# Altium PCB SPG300 Rev05.PcbDoc (part 5 of 8)
Units mm, origin at the board's own origin, x right, y up, seen from the top; angles counter-clockwise.
Board outline 176 x 152 mm, 6 copper layers (Top Layer, GND, Layer 1, Layer 2, PWR, Bottom Layer), stack 1.924 mm thick; 738 components, 393 nets, 2440 pads, 974 vias.
Unrouted connection lines stored in the file: 395.
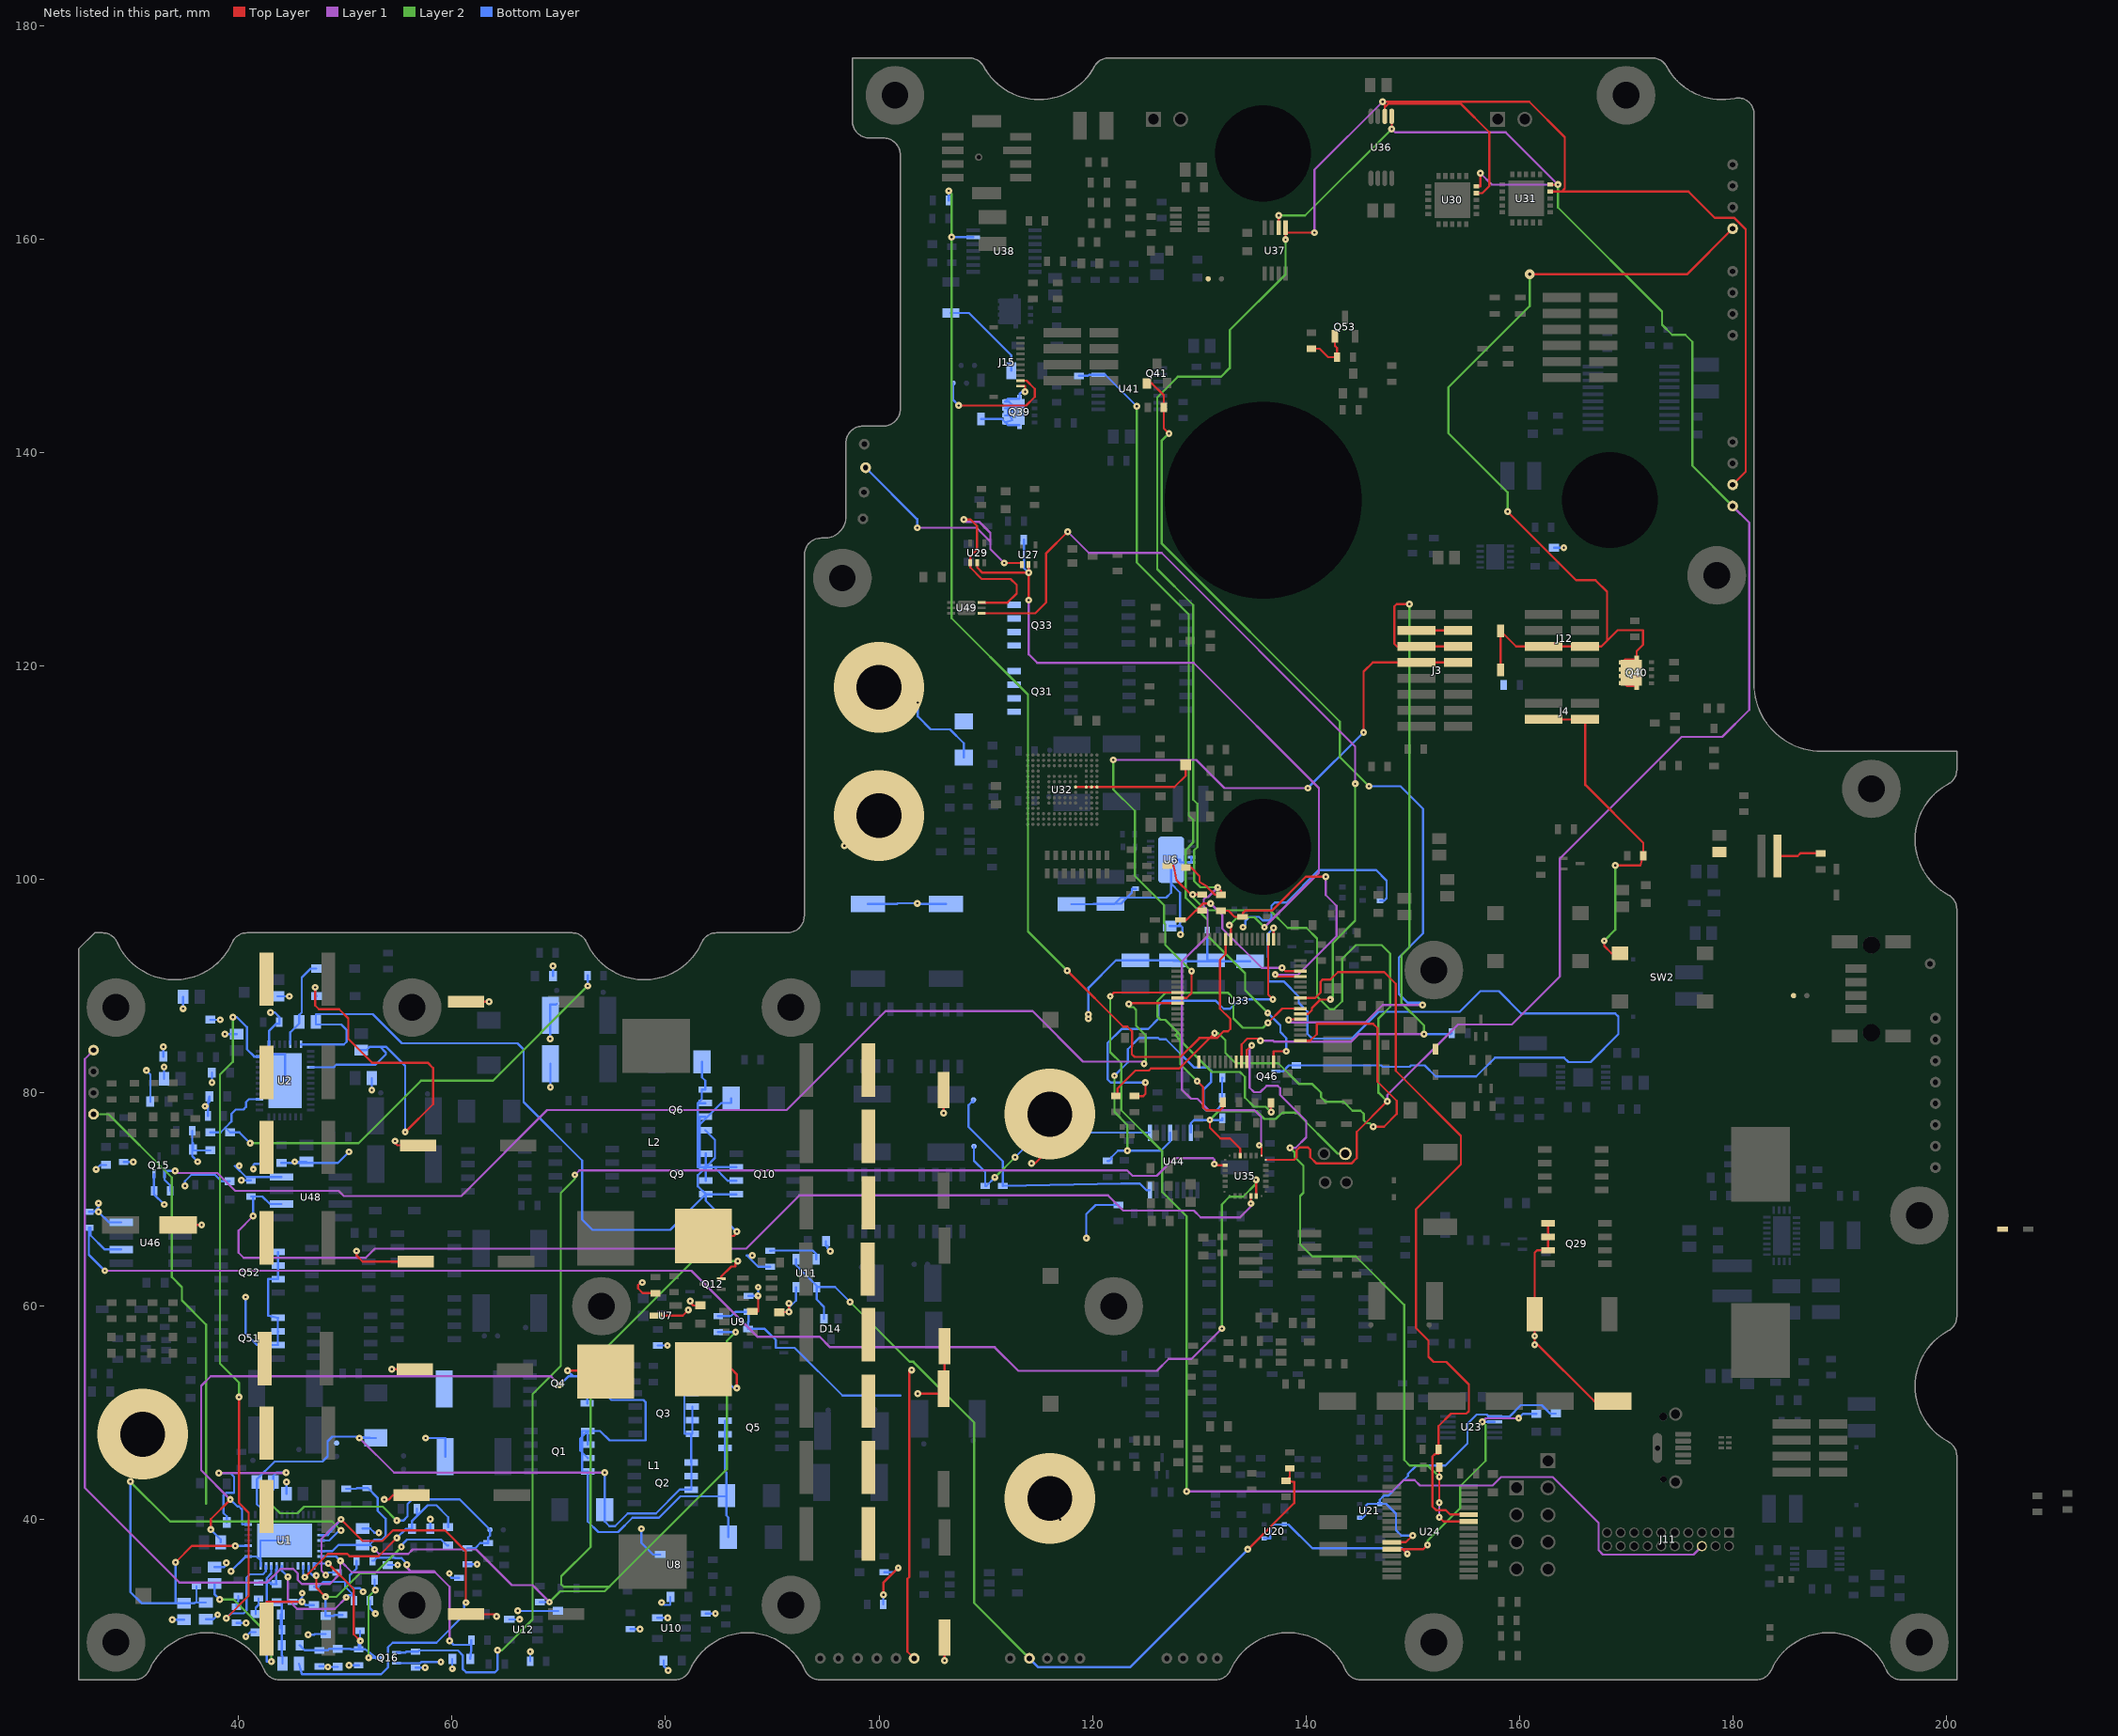
[diagram p9: the nets of this part, all layers, seen from the top]

## Via types
v1: diameter 0.65, hole 0.203, Top Layer to Bottom Layer, 964 vias
v2: diameter 8.5/0.5/0.5/8.5 (per signal layer), hole 4.2, Top Layer to Bottom Layer, 9 vias
v3: diameter 0.905, hole 0.305, Top Layer to Bottom Layer, 1 vias

## Nets (pads, with @x,y where several pads share a name; then routed paths per layer and width w, separated by ;. In a path a pad name is that pad's centre, name@x,y a point inside that pad or via, vN(x,y) a via of type N, cw(c..) or ccw(c..) an arc to the next point about the centre after c; other vN are vias at no path point) (continued)
DO_CBENH: R166.2 U24.10 U33.25 | length 73.2
  Top Layer w0.203: U33.25@139.477,88.9 140.869,88.9 141.376,89.408 141.376,90.424 141.58,90.627 142.316,90.627 143.002,91.313 147.345,91.313 148.438,90.221 148.438,82.067 154.534,75.971 154.534,73.304 150.317,69.088 150.317,57.963 151.486,56.794 151.486,55.27 151.968,54.788 153.162,54.788 155.27,52.68 155.27,50.165 155.042,49.936 153.608,49.936 152.44,48.768 R166.2@152.44,46.594 152.44,46.152 152.095,46.152 151.867,45.923 151.867,41.226 152.197,40.896 153.1,40.896 153.516,40.48 U24.10@155.251,40.48
DO_CBENL: R165.2 U24.9 U33.10 | length 64.6
  Top Layer w0.203: U33.10@134.477,82.9 134.477,84.007 v1(134.925,84.455) ; v1(152.5,40.237) 152.906,39.831 U24.9@155.251,39.831 ; v1(152.5,41.58) v1(152.5,44.018) R165.2@152.5,44.916
  Layer 1 w0.203: v1(134.925,84.455) 134.722,84.252 134.722,80.481 135.141,80.061 135.723,80.061 136.327,80.665 137.363,80.665 137.587,80.442 137.587,79.812 140.04,77.359 140.04,75.844 139.049,74.854 v1(138.506,74.854) ; v1(152.5,40.237) v1(152.5,41.58)
  Layer 2 w0.203: v1(138.506,74.854) 138.938,74.422 138.938,74.016 139.776,73.177 139.776,70.637 139.471,70.333 139.471,65.811 140.614,64.668 144.678,64.668 149.225,60.122 149.225,45.593 149.758,45.06 151.458,45.06 v1(152.5,44.018)
DO_CHTR_PWM: R177.2 U27.2 U29.2 U33.42 | length 70.1
  Top Layer w0.203: U29.2@109.21,129.699 109.21,129.235 109.699,128.747 v1(114.021,128.747) ; v1(114.021,126.187) v1(114.021,128.747) ; U27.2@114.021,129.524 v1(114.021,128.747) ; v1(132.842,95.707) 132.977,95.572 U33.42@132.977,94.4
  Layer 1 w0.203: v1(114.021,126.187) 114.021,121.107 114.834,120.294 129.489,120.294 141.224,108.56 141.224,100.635 v1(136.119,95.529)
  Layer 2 w0.203: v1(132.842,95.707) 133.579,96.444 135.204,96.444 v1(136.119,95.529)
  Bottom Layer w0.203: R177.2@113.575,131.85 113.575,129.193 v1(114.021,128.747)
DO_CHTR_WDOG: U33.22 U49.4 | length 77.4
  Top Layer w0.203: U49.4@109.625,124.95 114.638,124.95 115.672,125.984 115.672,130.581 v1(117.678,132.588) ; U33.22@139.477,87.4 140.208,87.4 140.564,87.756 140.564,87.96 141.351,88.748 v1(142.291,88.748)
  Layer 1 w0.203: v1(117.678,132.588) 119.659,130.607 126.492,130.607 144.628,112.471 v1(144.628,108.966)
  Layer 2 w0.203: v1(142.291,88.748) 142.519,88.976 142.519,94.031 144.628,96.139 v1(144.628,108.966)
DO_DC1_ENB: Q16.1 R108.1 U35.2 | length 123.4
  Top Layer w0.203: v1(131.42,73.33) 131.525,73.225 U35.2@132.449,73.225
  Layer 1 w0.203: v1(71.501,72.314) 71.92,72.733 123.259,72.733 123.761,72.231 126.028,72.231 127.66,73.863 131.293,73.863 131.42,73.736 v1(131.42,73.33)
  Layer 2 w0.203: v1(64.262,27.762) 64.668,27.762 67.539,30.632 67.539,51.765 70.18,54.407 70.18,70.612 71.501,71.933 v1(71.501,72.314)
  Bottom Layer w0.203: Q16.1@54.801,27.55 55.626,27.55 55.702,27.625 R108.1@56.574,27.625 56.82,27.625 56.931,27.737 60.554,27.737 60.985,27.305 60.985,26.01 61.316,25.679 64.008,25.679 64.262,25.933 v1(64.262,27.762)
DO_DC2_ENB: Q15.1 R107.1 U33.57 | length 115.2
  Top Layer w0.203: v1(123.419,88.316) 123.503,88.4 U33.57@127.977,88.4
  Layer 1 w0.203: v1(34.036,72.695) 34.239,72.492 37.998,72.492 39.675,70.815 49.378,70.815 49.86,70.333 60.858,70.333 68.91,78.384 91.338,78.384 100.609,87.655 114.402,87.655 119.126,82.931 124.638,82.931 v1(124.841,82.728)
  Layer 2 w0.203: v1(123.419,88.316) 123.419,88.031 123.85,88.031 124.099,87.782 124.099,86.289 124.993,85.395 124.993,82.88 v1(124.841,82.728)
  Bottom Layer w0.203: R107.1@33.57,70.81 33.57,71.323 33.045,71.849 Q15.1@33.045,72.409 33.045,72.695 v1(34.036,72.695)
DO_IDLIM: Q46.1 R254.2 U33.34 | length 82.2
  Top Layer w0.203: U33.34@136.977,94.4 136.977,95.448 v1(136.982,95.453)
  Bottom Layer w0.203: v1(136.982,95.453) 136.398,94.869 136.522,90.449 137.923,90.449 139.337,89.035 139.337,88.441 140.154,87.624 140.154,85.525 140.6,85.079 144.309,85.079 146.821,87.592 154.419,87.592 156.362,89.535 158.09,89.535 160.172,87.452 168.986,87.452 169.291,87.147 169.291,85.496 166.675,82.88 164.617,82.88 164.186,83.312 157.734,83.312 155.956,81.534 152.166,81.534 151.13,82.57 149.867,82.57 149.74,82.443 147.188,82.443 147.061,82.57 138.41,82.57 137.871,82.031 Q46.1@137.201,82.031
DO_LED_GRN: R183.2 U33.35 | length 33.5
  Top Layer w0.203: R183.2@123.945,79.7 124.765,79.7 124.968,79.903 v1(124.968,80.975) ; U33.35@136.477,94.4 136.477,89.202 v1(136.906,88.773)
  Bottom Layer w0.203: v1(124.968,80.975) 121.717,80.975 121.437,81.255 121.437,84.684 122.733,85.979 125.222,85.979 126.213,86.97 126.213,88.189 126.644,88.621 131.572,88.621 132.309,87.884 132.893,87.884 133.782,88.773 v1(136.906,88.773)
DO_LED_RED: R182.2 U33.17 | length 52
  Top Layer w0.203: R182.2@122.195,79.726 122.352,79.726 122.352,80.416 124.028,82.093 125.273,82.093 125.476,82.296 128.143,82.296 v1(131.445,85.598) ; U33.17@139.477,84.9 140.421,84.9 141.021,85.5 141.021,86.479 146.304,86.479 146.71,86.072 146.71,81.051 148.514,79.248 148.514,78.029 147.32,76.835 v1(146.304,76.835)
  Layer 2 w0.203: v1(131.445,85.598) 131.801,85.598 132.461,84.938 132.461,83.744 133.426,82.779 137.414,82.779 139.37,80.823 140.614,80.823 141.427,80.01 141.427,79.578 141.834,79.172 143.535,79.172 144.374,78.334 145.13,78.334 145.435,78.029 145.435,77.419 145.689,77.165 145.974,77.165 v1(146.304,76.835)
DO_LOAD_ENB: J14.1 R249.1 U35.26 U44.7 | length 24.4
  Top Layer w0.203: v1(131.013,77.47) 131.013,76.733 132.012,75.735 132.892,75.735 133.849,74.778 U35.26@133.849,74.125
  Layer 2 w0.203: v1(131.013,77.47) 131.837,78.293 135.365,78.293 136.107,77.551 137.179,77.551 137.784,78.156 139.141,78.156 142.997,74.3 J14.1@143.701,74.3
  Bottom Layer w0.203: U44.7@129.219,76.272 129.219,77.149 129.52,77.45 v1@131.033,77.45 ; v1(131.013,77.47) v1@131.033,77.45 ; R249.1@132.175,77.624 132.175,77.45 v1@131.033,77.45
DO_ONOFF_PWM: R221.2 U33.15 U41.13 | length 75.7
  Top Layer w0.203: U33.15@136.977,82.9 136.977,83.896 v1(138.176,83.896)
  Layer 2 w0.203: v1(124.155,144.348) 124.155,129.718 129.032,124.841 129.032,105.994 129.433,105.593 129.433,103.449 128.753,102.768 128.753,98.273 130.79,96.235 130.79,94.737 134.315,91.211 134.315,89.611 v1(136.423,87.503)
  Bottom Layer w0.203: R221.2@118.751,147.201 119.583,147.201 119.682,147.3 U41.13@120.551,147.3 121.204,147.3 v1(124.155,144.348) ; v1(136.423,87.503) 137.617,86.309 137.617,85.694 138.176,85.136 v1(138.176,83.896)
DO_PURGE_PWM: R203.2 U33.43 U38.13 | length 110.6
  Top Layer w0.203: v1(117.653,91.44) 122.885,86.208 123.273,86.208 123.73,85.75 123.73,84.379 123.698,84.347 123.698,83.617 123.952,83.363 128.251,83.363 130.029,85.141 131.661,85.141 132.295,85.775 132.714,85.775 132.919,85.98 132.919,86.928 131.958,87.889 131.958,92.494 132.477,93.013 U33.43@132.477,94.4
  Layer 2 w0.203: v1(106.553,164.541) 106.807,164.287 v1(106.807,160.2) 106.807,124.485 113.97,117.323 113.97,95.123 v1(117.653,91.44)
  Bottom Layer w0.203: R203.2@106.549,163.649 106.549,164.538 v1(106.553,164.541) ; v1(106.807,160.2) U38.13@108.825,160.2
DO_SHORT_ENB: R265.2 U35.12 U48.2 | length 108.7
  Top Layer w0.203: v1(134.849,69.621) U35.12@134.849,70.325
  Layer 1 w0.203: v1(41.351,68.453) 39.98,67.081 39.98,65.024 40.462,64.541 51.892,64.541 52.756,65.405 87.554,65.405 92.532,70.383 121.468,70.383 122.885,68.966 129.523,68.966 130.157,68.332 133.833,68.332 134.849,69.348 v1(134.849,69.621)
  Bottom Layer w0.203: R265.2@41.151,70.293 R265.2@41.351,70.293 ; v1(41.351,68.453) R265.2@41.351,70.293 ; U48.2@44.007,69.574 42.934,69.574 42.215,70.293 R265.2@41.351,70.293
DO_SMB_INT_ENB: R191.2 R193.2 U33.23 | length 45.8
  Top Layer w0.203: v1(129.819,81.102) 130.378,80.543 130.378,78.638 130.652,78.364 131.953,78.364 132.227,78.638 R191.2@132.227,79.124 ; v1(136.449,86.563) 137.786,87.9 U33.23@139.477,87.9 ; R193.2@136.725,79.048 136.725,78.21 v1(136.754,78.181)
  Layer 2 w0.203: v1(129.819,81.102) 128.245,82.677 128.245,84.912 ; v1(136.449,86.563) 135.992,86.106 134.081,86.106 133.218,86.97 133.218,88.854 132.681,89.391 126.882,89.391 126.086,88.595 126.086,87.157 126.39,86.852 126.813,86.852 128.016,85.649 ; v1(136.754,78.181) 136.235,78.7 135.143,78.7 134.285,79.558 134.285,81.503 133.827,81.961 131.196,81.961 128.245,84.912 ; 128.016,85.649 128.245,85.42 128.245,84.912 ; 128.016,85.649 127.762,85.395 128.245,84.912
DO_STACK_ENB: R264.2 U35.13 U46.2 | length 136.7
  Top Layer w0.203: v1(135.331,71.857) 135.349,71.857 U35.13@135.349,70.325
  Layer 1 w0.203: v1(27.457,63.322) 82.423,63.322 88.595,57.15 94.437,57.15 95.428,56.159 110.846,56.159 113.055,53.95 126.035,53.95 127.152,55.067 129.286,55.067 v1(132.131,57.912)
  Layer 2 w0.203: v1(132.131,57.912) 132.131,69.545 132.842,70.256 134.112,70.256 135.331,71.476 v1(135.331,71.857)
  Bottom Layer w0.203: v1(27.457,63.322) 25.95,64.83 R264.2@25.95,67.35 26.111,67.35 26.111,66.656 27.448,65.319 U46.2@29,65.319
DO_STKFAN_PWM: Q41.1 R235.1 U33.21 | length 88.6
  Top Layer w0.203: Q41.1@125.1,146.5 125.578,146.5 126.701,145.377 R235.1@126.701,144.25 126.701,142.285 v1(127.178,141.808) ; v1(138.379,86.817) 138.462,86.9 U33.21@139.477,86.9
  Layer 1 w0.203: v1(138.379,86.817) 138.582,86.614 145.567,86.614 147.193,88.24 v1(150.952,88.24)
  Layer 2 w0.203: v1(127.178,141.808) 126.481,141.111 126.481,131.501 143.18,114.802 143.18,111.481 v1(145.923,108.737)
  Bottom Layer w0.203: v1(145.923,108.737) 148.869,108.737 150.978,106.629 150.978,94.945 148.717,92.685 148.717,89.281 149.555,88.443 150.749,88.443 v1(150.952,88.24)
DO_UIO_RES: J3.4 U33.56 | length 68
  Top Layer w0.203: U33.56@127.977,88.9 128.829,88.9 129.286,89.358 v1(129.286,91.415) ; v1(145.415,113.792) 145.415,119.482 146.283,120.35 J3.4@150.375,120.35 J3.4@154.275,120.35
  Layer 1 w0.203: v1(121.945,111.201) 129.743,111.201 132.385,108.56 v1(140.183,108.56)
  Layer 2 w0.203: v1(121.945,111.201) 121.945,108.458 123.977,106.426 123.977,100.33 126.726,97.582 126.726,95.88 126.822,95.784 126.822,93.879 v1(129.286,91.415)
  Bottom Layer w0.203: v1(140.183,108.56) v1(145.415,113.792)
DPOT-EITRIM: R250.1 R251.2 R272.2 U44.4 | length 35.9
  Layer 2 w0.203: v1(122.072,81.61) 122.072,78.207 123.266,77.013 v1(123.266,74.574)
  Bottom Layer w0.203: R272.2@121.437,73.623 121.587,73.623 121.786,73.821 121.786,73.971 122.389,74.574 v1(123.266,74.574) 126.416,74.574 127.299,75.458 U44.4@127.299,76.272 ; v1(122.072,81.61) 123.317,82.855 123.317,84.099 124.358,85.141 126.162,85.141 126.289,85.014 126.898,85.014 129.545,82.367 130.861,82.367 131.107,82.121 131.107,80.992 130.404,80.289 130.404,78.613 130.658,78.359 131.597,78.359 132.15,78.911 R250.1@132.15,79.525 132.15,79.865 132.161,79.877 132.161,81.363 132.175,81.363 R251.2@132.175,81.421
DPOT_IDCTRIM: R243.1 R246.1 | length 5.5
  Top Layer w0.203: v1(100.406,32.944) 100.406,34.087 v1(101.803,35.484)
  Bottom Layer w0.203: R246.1@100.393,32.051 100.393,32.931 v1(100.406,32.944) ; R243.1@100.495,35.074 101.394,35.074 v1(101.803,35.484)
DS: DS1.1 U32.H1 U32.H2 U32.H3 U32.H5 | length 11.8
  Top Layer w0.203: U32.H5@118.424,108.665 118.647,108.665 118.669,108.687 119.403,108.687 U32.H3@119.424,108.665 U32.H2@119.924,108.665 U32.H1@120.424,108.665 127.688,108.665 128.751,109.728 DS1.1@128.751,110.747
FAN_ENB: Q53.1 R273.2 R274.1 | length 4.8
  Top Layer w0.203: R273.2@140.516,149.75 141.3,149.75 142.091,148.959 R274.1@142.925,148.959 142.925,149.809 142.725,150.009 Q53.1@142.725,150.9
FBIN: FBIN1.1 R92.1 R94.2 R95.2 | length 49.5
  Top Layer w0.203: v1(103.073,54.026) 102.839,54.026 102.839,34.62 102.667,34.448 102.667,27.633 FBIN1.1@103.3,27
  Bottom Layer w0.203: R92.1@84.924,59.08 86.131,59.08 86.526,59.475 R94.2@87.775,59.475 87.775,58.556 87.726,58.506 R95.2@87.726,57.875 89.293,57.875 90.322,56.845 90.322,56.109 92.1,56.109 96.581,51.628 102.006,51.628
FBOUT: FBOUT1.1 NT13.1 R81.1 R88.1 | length 69.2
  Layer 2 w0.203: FBOUT1.1@26.4,78 27.796,78 33.731,72.065 33.731,62.744 34.683,61.793 34.683,60.542 36.952,58.273 36.952,41.483 ; 43.251,41.219 43.876,40.594 45.509,40.594 46.134,41.219 53.5,41.219 v1(54.816,39.903)
  Bottom Layer w0.203: v1(54.816,39.903) 55.423,39.903 55.829,40.31 55.829,41.453 56.286,41.91 60.689,41.91 NT13.1@63.55,39.05 63.55,38.504 63.375,38.329 R81.1@63.375,37.8 62.629,37.8 62.154,37.325 R88.1@61.439,37.325
FTRIM: R25.1 R30.2 | length 1.1
  Bottom Layer w0.203: R30.2@39.8,31.824 39.8,32.233 39.96,32.393 R25.1@39.96,32.85
GND: C1.2 C2.2 C3.2 C4.2 C5.2 C6.2 C7.2 C8.2 C9.2 C10.2 C11.2 C12.2 C13.2 C15.2 C17.2 C19.2 C20.2 C21.1 C22.2 C23.2 C24.2 C25.2 C26.2 C27.2 C28.2 C29.2 C30.2 C31.2 C32.2 C33.2 C34.2 C35.2 C36.2 C37.2 C38.2 C39.2 C40.2 C41.2 C42.2 C43.2 C44.2 C45.2 C48.2 C50.2 C51.2 C52.1 C53.2 C54.2 C55.2 C56.2 C57.2 C58.2 C59.2 C60.2 C61.2 C62.2 C90.2 C92.2 C93.2 C94.2 C95.2 C96.2 C97.2 C98.2 C99.2 C100.2 C101.2 C102.2 C103.2 C104.2 C105.2 C106.2 C107.2 C113.2 C130.2 C194.2 C195.2 D20.A D21.A D31.A FC-1.1 HTR-1.1 NT6.1 NT12.2 NT20.1 NT21.2 Q15.2 Q16.2 Q29.S1 Q29.S2 Q29.S3 Q51.S1 Q51.S2 Q51.S3 Q52.S1 Q52.S2 Q52.S3 R9.1 R10.1 R15.1 R21.1 R23.1 R24.2 R30.1 R32.2 R33.1 R43.1 R44.1 R50.1 R57.1 R58.2 R59.1 R75.1 R85.1 R87.1 R88.2 R91.1 R94.1 R96.2 R98.1 R104.2 R105.1 R106.1 R107.2 R108.2 R217.1 R233.1 R264.1 R265.1 R266.1 TZ1.A U1.11 U1.13 U1.39 U2.13 U2.39 U6.4 U6.5 U6.17 U7.3 U8.5 U9.5 U10.5 U11.5 U12.5 U46.4 U48.4 VB-1.1 VOUT-1.1 | length 354.7
  Top Layer w0.203: FC-1.1@31.075,44.85 31.42,45.195 v1(31.42,46.761) ; C194.2@34.324,67.625 v1(36.526,67.625) ; C4.2@42.6,29.735 42.6,32.309 v1(45.949,32.309) ; v1(51.029,65.176) 51.029,64.77 51.612,64.187 C34.2@56.6,64.187 ; v1(53.643,41.882) 54.05,41.882 54.456,42.289 C5.2@56.202,42.289 ; v1(54.348,54.089) C7.2@56.5,54.089 ; v1(54.648,75.488) 54.648,75.298 54.864,75.082 C33.2@56.8,75.082 ; C6.2@61.3,31.137 63.978,31.137 v1(64.178,30.937) ; C32.2@61.3,88.55 v1(63.452,88.55) ; v1(77.828,62.23) 77.676,62.23 77.422,61.976 77.422,61.67 77.867,61.225 R87.1@79.05,61.225 ; U7.3@79.101,59.125 81.61,59.125 v1(82.124,59.639) ; v1(82.322,60.481) 82.322,60.35 82.598,60.075 C101.2@83.249,60.075 ; U9.5@88.14,59.499 88.671,59.499 v1(88.671,60.985) ; C102.2@90.65,59.45 91.286,59.45 91.577,59.741 v1(91.577,60.263) ; v1(96.774,103.175) 99.75,103.175 HTR-1.1@100.075,102.85 ; v1(103.632,51.816) 106.039,51.816 C35.2@106.039,52.273 106.039,53.416 106.149,53.416 C12.2@106.149,56.275 ; v1(106.051,78.098) C13.2@106.051,80.25 ; v1(106.148,26.794) C36.2@106.148,28.946 ; v1(114.3,73.381) 114.606,73.381 VOUT-1.1@116.075,74.85 ; VB-1.1@116.075,38.85 116.586,39.361 116.586,39.751 116.84,40.005 v1(116.992,40.005) ; v1(161.442,57.201) 161.442,56.687 v1@161.448,56.681 ; v1(161.448,56.395) v1@161.448,56.681 ; Q29.S3@162.705,65.24 Q29.S3@162.687,65.24 ; Q29.S2@162.705,66.51 Q29.S2@162.687,66.51 ; Q29.S1@162.705,67.78 162.687,67.78 Q29.S2@162.687,66.51 ; C130.2@168.77,51.099 167.03,51.099 v1@161.448,56.681 ; v1@161.448,56.681 D20.A@161.448,59.26 161.448,65.024 161.664,65.24 Q29.S3@162.687,65.24 ; Q29.S3@162.687,65.24 Q29.S2@162.687,66.51
  Bottom Layer w0.203: R264.1@25.95,68.85 26.416,68.85 26.852,69.286 v1(26.852,69.663) ; v1(26.638,72.834) 27.044,73.24 C106.2@27.565,73.24 ; v1(26.848,68.859) 27.848,67.859 U46.4@29,67.859 ; R105.1@29.216,73.525 v1(30.118,73.525) ; v1(31.344,82.098) 31.725,81.716 C53.2@31.725,79.175 ; Q15.2@32.045,72.409 32.045,71.73 ; R107.2@32.07,70.81 32.07,71.704 32.045,71.73 ; C61.2@32.951,83.4 v1(32.951,84.327) ; C57.2@33.001,81.324 v1(33.001,82.426) ; v1(33.02,69.536) 32.045,70.511 32.045,71.73 ; v1(33.773,30.625) C23.2@34.875,30.625 ; v1(34.801,87.898) C55.2@34.801,89 ; v1(34.957,71.269) 34.957,71.713 35.587,72.343 37.758,72.343 38.388,71.713 C195.2@39.15,71.713 ; R50.1@35.643,76.446 35.643,75.342 ; v1(36.163,73.548) 35.643,74.068 35.643,75.342 ; v1(36.844,78.748) 37.109,79.014 ; C24.2@36.925,30.675 37.621,30.675 v1(38.027,31.081) ; R59.1@37.117,77.847 37.111,78.75 37.109,79.014 ; C45.2@37.35,74.608 36.847,74.608 36.839,74.6 35.725,74.6 C50.2@35.725,74.694 35.725,75.26 35.643,75.342 ; C62.2@37.349,86.85 v1(38.276,86.85) ; v1(37.494,80.974) C59.2@37.494,81.901 ; C29.2@37.75,35.55 38.639,35.55 38.852,35.763 v1(38.852,35.956) ; v1(38.698,85.499) C60.2@39.8,85.499 ; v1(39.268,35.154) 40.665,36.55 U1.13@40.9,36.55 41.669,36.55 42.05,36.17 ; R30.1@39.8,30.324 v1(40.702,30.324) ; v1(40.053,73.156) 39.646,73.156 40.688,72.114 U48.4@44.007,72.114 ; v1(40.249,71.793) R265.1@41.151,71.793 ; v1(40.64,60.858) 40.64,57.453 41.727,56.366 Q51.S3@43.663,56.366 ; v1(40.672,29.044) 41.079,29.451 C30.2@41.599,29.451 ; v1(41.378,72.847) 41.378,73.254 41.475,73.35 R58.2@42.6,73.35 ; U1.11@42.05,35.65 42.05,36.17 ; v1(42.992,87.522) 43.398,87.522 43.805,87.115 R57.1@43.805,86.62 43.805,86.462 43.498,86.462 42.838,85.801 U2.13@42.838,84.551 42.838,83.96 42.824,83.947 42.824,83.617 44.338,83.617 U2.39@44.338,81.151 ; C31.2@43.55,32.25 44.025,32.25 ; C54.2@43.651,89.051 v1(44.753,89.051) ; Q51.S3@43.684,56.366 Q51.S3@43.663,56.366 ; Q51.S2@43.684,57.636 Q51.S2@43.663,57.636 ; Q52.S3@43.706,62.552 Q52.S3@43.688,62.552 ; Q52.S2@43.706,63.822 Q52.S2@43.688,63.822 ; Q52.S1@43.706,65.092 43.688,65.092 Q52.S2@43.688,63.822 ; C21.1@43.949,31.101 43.949,29.82 R24.2@44.025,29.82 ; C58.2@44.007,73.425 49.286,73.425 v1(50.334,74.473) ; C20.2@44.101,26.5 44.101,27.229 44.025,27.304 C19.2@44.025,28.226 R24.2@44.025,29.49 ; U1.39@44.3,38.05 42.037,38.05 42.037,36.373 42.05,36.36 42.05,36.17 ; C25.2@44.476,42.425 v1(44.476,43.527) ; v1(45.248,73.55) C51.2@46.35,73.55 ; v1(45.949,32.309) 46.258,32 C28.2@47.05,32 ; v1(45.952,33.112) 45.952,32.735 45.517,32.299 R23.1@45.05,32.299 ; v1(46.497,29.21) 47.072,29.21 47.137,29.275 C17.2@48.15,29.275 ; R21.1@47.57,26.249 48.336,26.249 v1@48.385,26.2 ; v1(48.348,26.2) v1@48.385,26.2 ; C107.2@49.275,26.2 v1@48.385,26.2 ; v1(50.348,26.35) R106.1@51.25,26.35 ; R32.2@51.041,36.143 51.041,35.406 50.411,34.776 50.411,33.875 50.702,33.584 51.325,33.584 v1(51.664,33.245) ; C27.2@51.624,39.175 52.32,39.175 52.726,38.768 v1(53.133,38.768) ; R33.1@52.298,32.401 52.298,31.699 v1(52.818,31.179) ; v1(52.474,80.273) C56.2@52.474,81.376 ; C22.2@53.973,35.75 v1(54.9,35.75) ; Q16.2@54.801,26.55 57.006,26.55 57.126,26.67 v1(58.944,26.67) ; R108.2@56.574,26.125 v1(57.476,26.125) ; v1(57.506,47.65) 59.356,47.65 R9.1@59.356,45.914 ; C15.2@57.949,39.134 v1(57.949,40.061) ; v1(59.738,34.956) 59.738,34.755 59.944,34.549 R15.1@60.64,34.549 ; v1(60.014,26.024) C26.2@60.014,26.951 ; R88.2@61.439,35.825 v1(62.341,35.825) ; U12.5@65.361,30.65 v1(66.313,30.65) ; v1(66.14,31.459) 66.14,31.445 C105.2@69.927,31.445 ; R98.1@67.325,26.724 v1(67.325,27.626) ; v1(69.2,85.059) R44.1@69.2,87.261 69.2,88.29 69.74,88.29 NT12.2@69.799,88.35 ; v1(69.208,80.522) R43.1@69.208,82.724 ; C48.2@69.458,90.951 v1(69.458,91.878) ; R85.1@76.701,29.749 v1(77.603,29.749) ; v1(77.724,39.141) 77.724,37.842 78.842,36.725 U8.5@79.511,36.725 ; U10.5@79.236,30.8 v1(80.188,30.8) ; R104.2@79.275,56.325 v1(80.177,56.325) ; v1(79.638,32.23) 79.638,32.226 79.858,32.006 80.45,32.006 C100.2@80.45,32.75 ; C103.2@79.825,26.8 79.825,26.279 v1(80.232,25.873) ; R91.1@83.775,31.2 v1(84.677,31.2) ; R94.1@87.775,60.975 88.392,60.975 88.677,61.26 v1(88.677,61.788) ; v1(88.121,64.77) 87.609,64.77 88.679,63.7 R96.2@89.799,63.7 ; v1(91.567,59.461) 91.567,59.87 92.225,60.528 U11.5@92.225,61.786 ; C104.2@95.025,66.09 95.025,65.627 95.166,65.627 95.166,65.428 v1(95.432,65.163) ; D31.A@98.976,97.7 101.702,97.7 101.766,97.765 v1(103.581,97.765) 103.646,97.7 TZ1.A@106.275,97.7 ; v1(103.632,116.586) 103.632,115.291 104.851,114.071 106.655,114.071 107.95,112.776 D21.A@107.95,111.426 ; R217.1@106.726,153.1 108.433,153.1 112.402,149.131 R233.1@112.402,147.674 ; C96.2@118.022,97.677 120.065,97.677 ; v1(119.431,66.396) 119.431,68.636 120.294,69.5 R266.1@122.45,69.5 ; v1(119.634,86.944) v1(119.634,87.351) 119.634,89.854 122.184,92.404 ; C98.2@124.069,99.127 123.699,99.127 123.699,98.755 123.242,98.298 ; C99.2@127.249,95.625 128.016,95.625 ; v1(128.264,94.844) 128.422,95.002 128.422,95.498 128.296,95.625 128.016,95.625 ; U6.5@129.273,101.6 U6.5@129.261,101.6 ; U6.4@129.273,102.1 129.261,102.1 U6.5@129.261,101.6 ; R75.1@130.775,95.249 130.759,95.249 130.759,92.423 C92.2@131.124,92.423 131.724,92.423 C92.2@131.724,92.343 ; v1(134.112,95.529) 134.346,95.763 134.346,96.115 134.722,96.491 135.605,96.491 135.937,96.159 136.55,96.159 136.779,96.388 136.779,97.536 137.082,97.839 138.162,97.839 141.211,100.888 146.584,100.888 147.574,99.898 147.574,98.255 147.32,98.001 C90.2@146.949,98.001 ; C113.2@163.251,131.099 v1(164.178,131.099) ; 37.109,79.014 37.25,79.154 C52.1@37.25,79.675 37.109,79.014 ; Q51.S3@43.663,56.366 Q51.S2@43.663,57.636 ; Q51.S2@43.663,57.636 43.663,58.906 Q51.S1@43.684,58.906 42.766,59.131 42.766,62.552 Q52.S3@43.688,62.552 ; Q52.S3@43.688,62.552 Q52.S2@43.688,63.822 ; R24.2@44.025,29.49 R24.2@44.025,29.82 ; R24.2@44.025,29.49 44.05,29.515 R24.2@44.05,29.676 44.05,29.82 R24.2@44.025,29.82 ; R24.2@44.025,29.82 44.025,32.25 ; 44.025,32.25 44.285,32.262 ; 44.025,32.25 44.272,32.25 44.285,32.262 ; 44.285,32.262 44.322,32.299 R23.1@45.05,32.299 ; 44.285,32.262 R23.1@45.05,32.299 ; 120.065,97.677 122.047,97.677 C97.2@122.098,97.728 ; 120.065,97.677 120.117,97.728 C97.2@121.688,97.728 C97.2@122.098,97.728 ; C97.2@122.098,97.728 122.668,98.298 123.242,98.298 ; C97.2@122.098,97.728 122.672,97.728 123.242,98.298 ; 122.184,92.404 124.042,92.392 127.568,92.369 C94.2@128.177,92.365 ; 122.184,92.404 122.203,92.423 C93.2@124.043,92.423 C94.2@127.568,92.423 128.119,92.423 C94.2@128.177,92.365 ; 123.242,98.298 126.916,98.298 127.373,98.755 127.373,99.619 ; 127.373,99.619 128.219,98.773 128.219,95.828 128.016,95.625 ; 127.373,99.619 U6.17@127.373,101.85 128.219,101.85 128.219,101.6 U6.5@129.261,101.6 ; C94.2@128.177,92.365 128.219,92.323 C92.2@131.724,92.323 ; C94.2@128.177,92.365 131.124,92.347 C92.2@131.724,92.343 ; C92.2@131.724,92.323 C92.2@131.724,92.343 ; C92.2@131.724,92.323 C95.2@134.773,92.323 C92.2@131.724,92.343